# Altium PCB 2020智能车.PcbDoc (part 1 of 2) (continued)
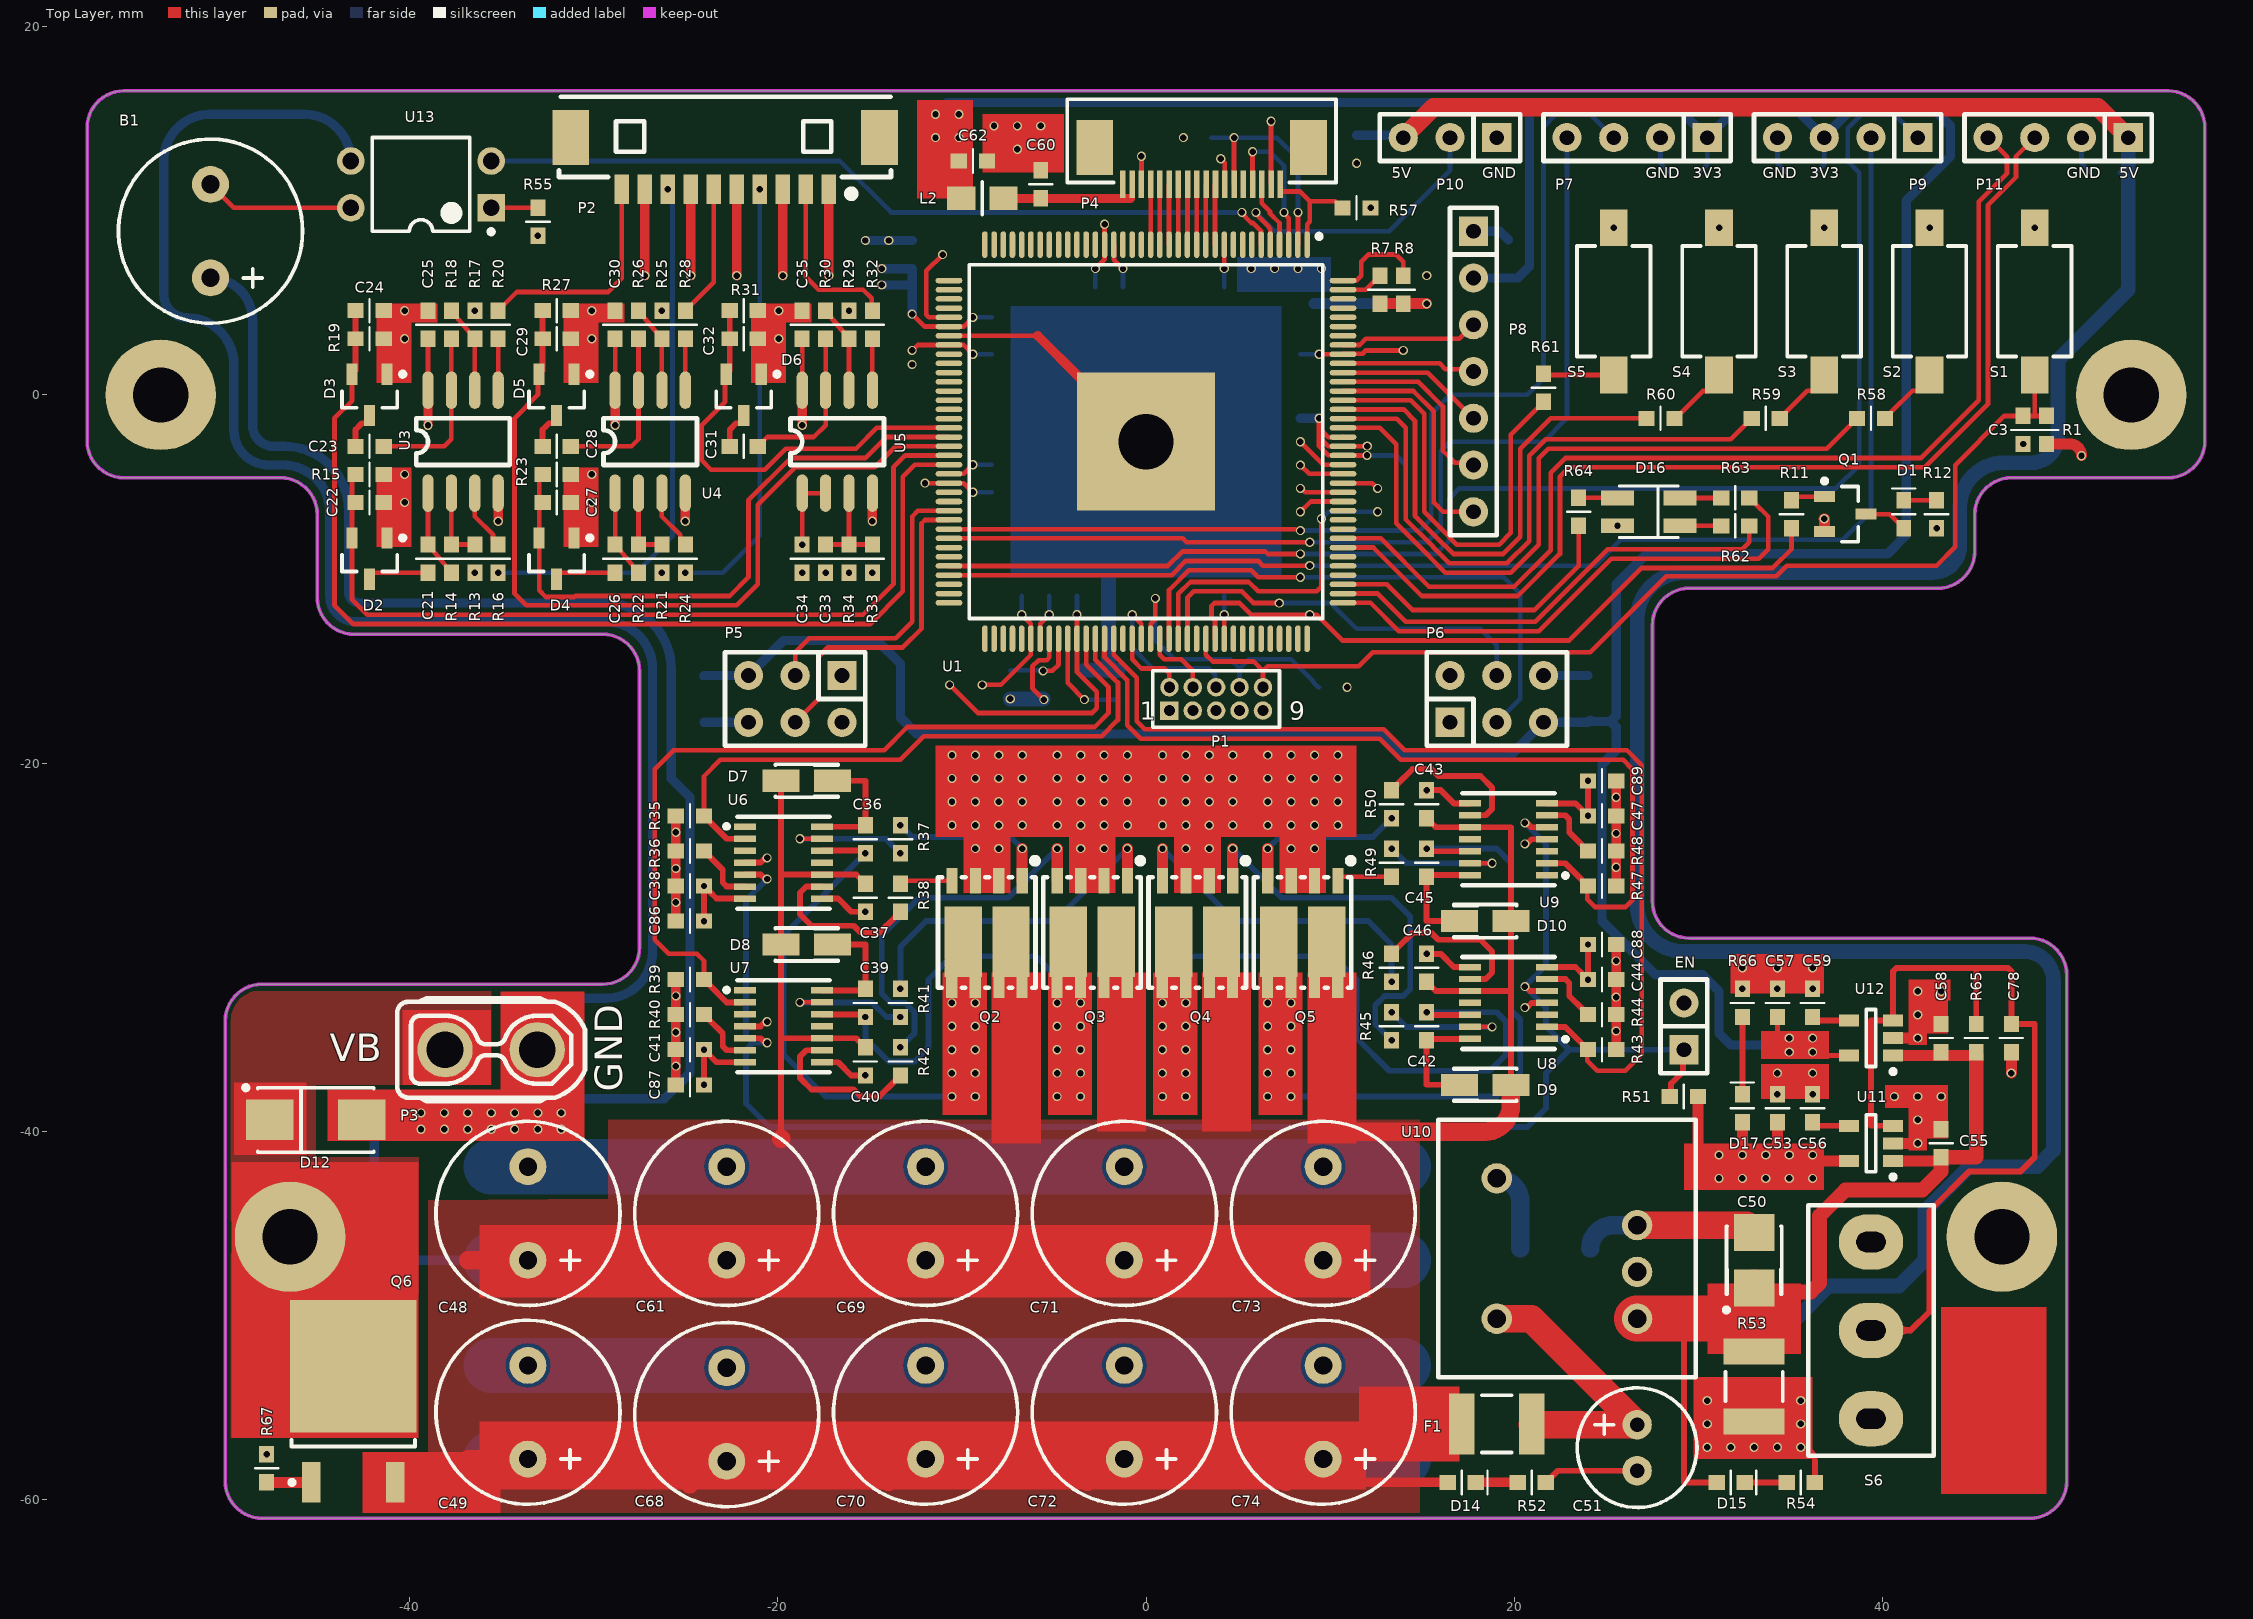
[diagram p0: Top Layer view]
## Components (designator, comment, footprint, x,y, rotation, side; value= is the part's Value field where it differs from the comment)
B1 "BEEP" E10/5 -50.8,8.89 r270 top
C1 "Cap" 0603-1 -7.366,-15.748 r90 bottom value=20pF
C2 "Cap" 0603-1 -1.524,-15.748 r270 bottom value=20pF
C3 "1uF" 0603-1 47.625,-1.905 r90 top
C4 "0.1uF" 0603-1 -12.7,7.62 r90 bottom
C5 "0.1uF" 0603-1 -7.62,-3.79 r0 bottom
C6 "0.1uF" 0603-1 -5.25,-10.16 r90 bottom
C7 "0.1uF" 0603-1 4.25,-10.16 r90 bottom
C8 "0.1uF" 0603-1 4.25,5.08 r270 bottom
C9 "0.1uF" 0603-1 -3.75,-10.16 r90 bottom
C10 "0.1uF" 0603-1 7.62,-1.27 r180 bottom
C11 "0.1uF" 0603-1 -1.25,5.08 r270 bottom
C12 "0.1uF" 0603-1 7.62,2.21 r180 bottom
C13 "0.1uF" 0603-1 -6.75,-10.16 r90 bottom
C14 "0.1uF" 0603-1 -7.62,-5.29 r0 bottom
C15 "0.1uF" 0603-1 -7.62,2.21 r0 bottom
C16 "0.1uF" 0603-1 -2.75,5.08 r270 bottom
C19 "10uF" 0603-1 15.24,5.715 r270 bottom
C21 "1uF" 0603-1 -38.989,-8.89 r90 top
C22 "1uF" 0603-1 -42.164,-5.842 r180 top
C23 "1uF" 0603-1 -42.164,-2.794 r0 top
C24 "1uF" 0603-1 -42.164,4.572 r180 top
C25 "0.1uF" 0603-1 -38.989,3.81 r90 top
C26 "1uF" 0603-1 -28.829,-8.89 r90 top
C27 "1uF" 0603-1 -32.004,-5.842 r180 top
C28 "1uF" 0603-1 -32.004,-2.794 r0 top
C29 "1uF" 0603-1 -32.004,3.048 r180 top
C30 "0.1uF" 0603-1 -28.829,3.81 r90 top
C31 "1uF" 0603-1 -21.844,-2.794 r0 top
C32 "1uF" 0603-1 -21.844,3.048 r180 top
C33 "1uF" 0603-1 -17.399,-8.89 r270 top
C34 "1uF" 0603-1 -18.669,-8.89 r90 top
C35 "0.1uF" 0603-1 -18.669,3.81 r90 top
C36 "1uF/50V" 0603-1 -15.24,-24.13 r270 top
C37 "1uF/50V" 0603-1 -15.24,-27.305 r270 top
C38 "0.1uF" 0603-1 -24.765,-26.67 r0 top
C39 "1uF/50V" 0603-1 -15.24,-33.02 r270 top
C40 "1uF/50V" 0603-1 -15.24,-36.195 r270 top
C41 "0.1uF" 0603-1 -24.765,-35.56 r0 top
C42 "1uF/50V" 0603-1 15.24,-34.29 r90 top
C43 "1uF/50V" 0603-1 15.24,-22.225 r90 top
C44 "0.1uF" 0603-1 24.765,-31.75 r180 top
C45 "1uF/50V" 0603-1 15.24,-25.4 r90 top
C46 "1uF/50V" 0603-1 15.24,-31.115 r90 top
C47 "0.1uF" 0603-1 24.765,-22.86 r180 top
C48 "470u/16" E10/5 -33.56,-44.45 r270 top
C49 "470u/16" E10/5 -33.56,-55.245 r270 top
C50 "100uF/6.3V聚合物/3528封装" 3528-B 33.02,-46.99 r90 top
C51 "330uF/16V" E6.5/2.5 26.67,-58.42 r90 top
C52 "1nF/2000V" 1812 22.225,-46.355 r180 bottom
C53 "1uF" 0603-1 34.29,-38.735 r90 top
C54 "1uF" 0603-1 -7.62,4.21 r0 bottom
C55 "1uF" 0603-1 43.18,-40.64 r90 top
C56 "0.01uF" 0603-1 36.195,-38.735 r270 top value=103
C57 "1uF" 0603-1 34.29,-33.02 r90 top
C58 "1uF" 0603-1 43.18,-34.925 r90 top
C59 "0.01uF" 0603-1 36.195,-33.02 r270 top value=103
C60 "10uF" 0603-1 -5.715,11.43 r90 top
C61 "470u/16" E10/5 -22.765,-44.45 r270 top
C62 "10uF" 0603-1 -9.398,12.7 r0 top
C63 "10uF" 0805-3 -24.13,-16.51 r270 bottom
C64 "10uF" 0805-3 24.13,-16.51 r90 bottom
C65 "10uF" 0603-1 29.21,12.065 r180 bottom
C66 "10uF" 0603-1 19.685,7.62 r90 bottom
C67 "10uF" 0603-1 35.56,12.065 r180 bottom
C68 "470u/16" E10/5 -22.765,-55.372 r270 top
C69 "470u/16" E10/5 -11.97,-44.45 r270 top
C70 "470u/16" E10/5 -11.97,-55.245 r270 top
C71 "470u/16" E10/5 -1.175,-44.45 r270 top
C72 "470u/16" E10/5 -1.175,-55.245 r270 top
C73 "470u/16" E10/5 9.62,-44.45 r270 top
C74 "470u/16" E10/5 9.62,-55.245 r270 top
C75 "10uF" 3528-B -19.765,-44.45 r90 bottom
C76 "10uF" 3528-B -19.765,-55.372 r90 bottom
C77 "10uF" 3528-B -8.97,-44.45 r90 bottom
C78 "104" 0603-1 46.99,-34.925 r270 top value=103
C79 "10uF" 3528-B -30.56,-55.245 r90 bottom
C80 "10uF" 3528-B -30.56,-44.45 r90 bottom
C81 "10uF" 3528-B 12.62,-55.245 r90 bottom
C82 "10uF" 3528-B 12.62,-44.45 r90 bottom
C83 "10uF" 3528-B 1.825,-55.245 r90 bottom
C84 "10uF" 3528-B 1.825,-44.45 r90 bottom
C85 "10uF" 3528-B -8.97,-55.245 r90 bottom
C86 "1uF" 0603-1 -24.765,-28.575 r0 top
C87 "1uF" 0603-1 -24.765,-37.465 r0 top
C88 "1uF" 0603-1 24.765,-29.845 r180 top
C89 "1uF" 0603-1 24.765,-20.955 r180 top
C90 "10uF" 0603-1 11.43,13.335 r270 bottom
C91 "10uF" 0603-1 52.07,12.065 r180 bottom
D1 "LED" 0603-3 41.148,-6.477 r90 top
D2 "BAT54S" SOT-23-3 -42.164,-8.89 r180 top
D3 "BAT54S" SOT-23-3 -42.164,0 r180 top
D4 "BAT54S" SOT-23-3 -32.004,-8.89 r180 top
D5 "BAT54S" SOT-23-3 -32.004,0 r180 top
D6 "BAT54S" SOT-23-3 -21.844,0 r180 top
D7 "1N5819" 3216-A -18.415,-20.955 r180 top
D8 "1N5819" 3216-A -18.415,-29.845 r180 top
D9 "1N5819" 3216-A 18.415,-37.465 r0 top
D10 "1N5819" 3216-A 18.415,-28.575 r0 top
D12 "SMAJ15CA" 6032-C -45.085,-39.37 r0 top
D14 "12V" 0603-3 17.145,-59.055 r0 top
D15 "5V" 0603-3 31.75,-59.055 r0 top
D16 "LED_E" 1210-DLED 27.305,-6.35 r180 top
D17 "3V3" 0603-3 32.385,-38.735 r90 top
EN "Jumper" CON-2S 29.21,-35.56 r90 top (schematic designator JP1)
F1 "0.5A" 1812 19.05,-55.88 r0 top
L1 "磁珠" 0805-3 -12.7,3.175 r90 bottom
L2 "磁珠" 0805-3 -8.89,10.668 r180 top
P1 "IDC-10P" MHDR2X5 1.27,-17.145 r0 top
P2 "Header 10" "MX 1.25-WS-10P" -22.86,13.97 r180 top
P3 "XT30UPB-F" XT30UPB-F -35.56,-35.56 r90 top
P4 "FPC0.5-18P" FPC18-0.5 3.02,11.43 r180 top
P5 "Header 3X2" con-6D -16.51,-15.24 r180 top
P6 "Header 3X2" con-6D 16.51,-17.78 r0 top
P7 "Header 4" con-4s 30.48,13.97 r180 top
P8 "Header 7" con-7s 17.78,8.89 r270 top
P9 "Header 4" con-4S 41.91,13.97 r180 top
P10 "Header 3" CON-3S 19.05,13.97 r180 top
P11 "Header 4" CON-4S 53.34,13.97 r180 top
Q1 "BSS84" SOT-23-3 37.973,-6.477 r270 top
Q2 "SE3082G" DFN-8_L5.5-W5.2-P1.27-LS6.0-BL-EP2 -8.636,-29.21 r180 top
Q3 "SE3082G" DFN-8_L5.5-W5.2-P1.27-LS6.0-BL-EP2 -2.921,-29.21 r180 top
Q4 "SE3082G" DFN-8_L5.5-W5.2-P1.27-LS6.0-BL-EP2 2.794,-29.21 r180 top
Q5 "SE3082G" DFN-8_L5.5-W5.2-P1.27-LS6.0-BL-EP2 8.509,-29.21 r180 top
Q6 "IPD50P04P4L" TO-252 -43.047,-55.905 r270 top
R1 "10K" 0603-1 48.895,-1.905 r90 top
R2 "2.2k" 0603-1 7.62,-2.54 r0 bottom
R3 "2.2k" 0603-1 7.62,-3.81 r0 bottom
R4 "2.2k" 0603-1 7.62,-6.35 r0 bottom
R5 "10K" 0603-1 7.62,-5.08 r0 bottom
R6 "10K" 0603-1 10.16,-15.875 r180 bottom
R7 "10k" 0603-1 12.7,5.715 r90 top
R8 "10k" 0603-1 13.97,5.715 r90 top
R9 "10k" 0603-1 13.335,-5.08 r180 bottom
R10 "10k" 0603-1 13.335,-6.35 r180 bottom
R11 "10K" 0603-1 35.052,-6.477 r270 top
R12 "1k" 0603-1 42.926,-6.477 r90 top
R13 "1K" 0603-1 -36.449,-8.89 r90 top
R14 "1K*" 0603-1 -37.719,-8.89 r270 top
R15 "51K" 0603-1 -42.164,-4.318 r0 top
R16 "1K" 0603-1 -35.179,-8.89 r90 top
R17 "1K" 0603-1 -36.449,3.81 r270 top
R18 "1K*" 0603-1 -37.719,3.81 r270 top
R19 "51K" 0603-1 -42.164,3.048 r0 top
R20 "1K" 0603-1 -35.179,3.81 r270 top
R21 "1K" 0603-1 -26.289,-8.89 r90 top
R22 "1K*" 0603-1 -27.559,-8.89 r270 top
R23 "51K" 0603-1 -32.004,-4.318 r0 top
R24 "1K" 0603-1 -25.019,-8.89 r90 top
R25 "1K" 0603-1 -26.289,3.81 r270 top
R26 "1K*" 0603-1 -27.559,3.81 r270 top
R27 "51K" 0603-1 -32.004,4.572 r0 top
R28 "1K" 0603-1 -25.019,3.81 r270 top
R29 "1K" 0603-1 -16.129,3.81 r270 top
R30 "1K*" 0603-1 -17.399,3.81 r270 top
R31 "51K" 0603-1 -21.844,4.572 r0 top
R32 "1K" 0603-1 -14.859,3.81 r270 top
R33 "10K" 0603-1 -14.859,-8.89 r90 top
R34 "10K" 0603-1 -16.129,-8.89 r270 top
R35 "10K" 0603-1 -24.765,-22.86 r0 top value=10R
R36 "5K" 0603-1 -24.765,-24.765 r0 top value=10R
R37 "10R" 0603-1 -13.335,-24.13 r90 top
R38 "10R" 0603-1 -13.335,-27.305 r90 top
R39 "10K" 0603-1 -24.765,-31.75 r0 top value=10R
R40 "5K" 0603-1 -24.765,-33.655 r0 top value=10R
R41 "10R" 0603-1 -13.335,-33.02 r90 top
R42 "10R" 0603-1 -13.335,-36.195 r90 top
R43 "10K" 0603-1 24.765,-35.56 r180 top value=10R
R44 "5K" 0603-1 24.765,-33.655 r180 top value=10R
R45 "10R" 0603-1 13.335,-34.29 r270 top
R46 "10R" 0603-1 13.335,-31.115 r270 top
R47 "10K" 0603-1 24.765,-26.67 r180 top value=10R
R48 "5K" 0603-1 24.765,-24.765 r180 top value=10R
R49 "10R" 0603-1 13.335,-25.4 r270 top
R50 "10R" 0603-1 13.335,-22.225 r270 top
R51 "10k" 0603-1 29.21,-38.1 r0 top value=10K
R52 "10k" 0603-1 20.955,-59.055 r180 top
R53 "150R/1W" 1812 33.02,-53.848 r90 top
R54 "10k" 0603-1 35.56,-59.055 r180 top
R55 "1k" 0603-1 -33.02,9.398 r90 top
R56 "150R" 0603-1 2.794,13.97 r0 bottom
R57 "150R" 0603-1 11.43,10.16 r180 top
R58 "330R" 0603-1 39.37,-1.27 r180 top
R59 "330R" 0603-1 33.655,-1.27 r180 top
R60 "330R" 0603-1 27.94,-1.27 r180 top
R61 "330R" 0603-1 21.59,0.381 r270 top
R62 "510R" 0603-1 32.004,-7.112 r180 top
R63 "510R" 0603-1 32.004,-5.588 r180 top
R64 "510R" 0603-1 23.495,-6.35 r90 top
R65 "10k" 0603-1 45.085,-34.925 r90 top
R66 "10k" 0603-1 32.385,-33.02 r270 top
R67 "10k" 0603-1 -47.752,-58.293 r90 top
S1 "RESET" TD-3580 48.26,5.08 r270 top
S2 "SW-PB" TD-3580 42.545,5.08 r270 top
S3 "SW-PB" TD-3580 36.83,5.08 r270 top
S4 "SW-PB" TD-3580 31.115,5.08 r270 top
S5 "SW-PB" TD-3580 25.4,5.08 r270 top
S6 "PEN" SSD1210 39.37,-50.8 r270 top
U1 "SAK-TC264D-40F200N BC" QFP50P2200X2200X160-145N-1 0,-2.54 r270 top
U2 "XC6206P132(1.3V)" SOT-23-3 8.001,4.953 r90 bottom
U3 "AD8606" SO-8 -38.989,-5.334 r90 top
U4 "AD8606" SO-8 -28.829,-5.334 r90 top
U5 "AD8606" SO-8 -18.669,-5.334 r90 top
U6 "Si8274AB1-IM1" LGA-14_L5.0-W5.0-P0.65-BL -19.685,-25.4 r270 top
U7 "Si8274AB1-IM1" LGA-14_L5.0-W5.0-P0.65-BL -19.685,-34.29 r270 top
U8 "Si8274AB1-IM1" LGA-14_L5.0-W5.0-P0.65-BL 19.685,-33.02 r90 top
U9 "Si8274AB1-IM1" LGA-14_L5.0-W5.0-P0.65-BL 19.685,-24.13 r90 top
U10 "WRB1205SD-3WR2" WRB_SD-3WR2 22.86,-46.355 r0 top
U11 "TPS73633DBVR" SOT-23-5 39.37,-40.64 r90 top
U12 "TPS73633DBVR" SOT-23-5 39.37,-34.925 r90 top
U13 "PC817" DIP-4 -39.37,11.43 r180 top
Y1 "20MHz" CFPX-5 -4.445,-15.748 r180 bottom value=16M

## Footprints (in the part's own frame and the unit in brackets; to place one, negate y for a bottom-side part, rotate by r counter-clockwise, add the part's x,y. Pads: shape width x height; smd on the part's side, far side on the other; paste and mask are expansions set on the pad)
0603-1 [mil]
  rect 35x32 smd: 1(-30,0) 2(30,0)
  silkscreen extent 0,-25 0,25
0603-3 [mil]
  rect 35x32 smd: 1(-30,0) 2(30,0)
  silkscreen extent 0,-25 55,25
0805-3 [mil]
  rect 60x50 smd: 1(-45,0) 2(45,0)
  silkscreen extent 0,-35 0,35
1210-DLED [mm]
  rect 1.8x0.8 smd: 1(-1.7,0.75) 2(1.7,0.75) 3(-1.7,-0.75) 4(1.7,-0.75)
  silkscreen extent -1.6,-1.4 1.6,1.4
1812 [mm] "Chip Capacitor, Body 4.5x3.2mm, IPC High Density"
  rect 1.4x3.3 smd: 1(-1.9,0) 2(1.9,0)
  silkscreen extent -0.8,-1.55 0.8,1.55, body extent -2.4,-1.7 2.4,1.7, height 1.4
3216-A [mm] "Capacitor, SM Tantalum; Body 3.2 x 1.6 mm (LxW typ)"
  rect 2x1.2 smd: 1(-1.4,0) 2(1.4,0)
  silkscreen extent -1.7,-0.9 1.7,0.9
3528-B [mm] "Capacitor, SM Tantalum; Body 3.5 x 2.8 mm (LxW typ)"
  rect 2x2.2 smd: 1(-1.5,0) 2(1.5,0)
  silkscreen extent -2.82,-1.5 1.85,1.62
6032-C [mm] "Capacitor, SM Tantalum; Body 6.0 x 3.2 mm (LxW typ)"
  rect 2.6x2.2 smd: A(-2.5,0) K(2.5,0)
  silkscreen extent -3.92,-1.75 3.15,1.87
CFPX-5 [mm] "Surface Mount Quartz Crystal; Body 3.4 x 2.7 mm (LxW max)"
  rect 1.4x1.15 smd: 1(-1.1,-0.8) 2(1.1,-0.8) 3(1.1,0.8) 4(-1.1,0.8)
  silkscreen extent -1.27,-2.09 -1.03,-1.84
CON-2S [mm]
  rect 1.585x1.585 hole 0.8: 1(0,0)
  round 1.585 hole 0.8: 2(2.54,0)
  silkscreen extent -1.27,-1.27 3.81,1.27
CON-3S [mm]
  rect 1.585x1.585 hole 0.8: 1(0,0)
  round 1.585 hole 0.8: 2(2.54,0) 3(5.08,0)
  silkscreen extent -1.27,-1.27 6.35,1.27
con-4s [mm]
  rect 1.585x1.585 hole 0.8: 1(0,0)
  round 1.585 hole 0.8: 2(2.54,0) 3(5.08,0) 4(7.62,0)
  silkscreen extent -1.27,-1.27 8.89,1.27
con-4S [mm]
  rect 1.585x1.585 hole 0.8: 1(0,0)
  round 1.585 hole 0.8: 2(2.54,0) 3(5.08,0) 4(7.62,0)
  silkscreen extent -1.27,-1.27 8.89,1.27
CON-4S [mm]
  rect 1.585x1.585 hole 0.8: 1(0,0)
  round 1.585 hole 0.8: 2(2.54,0) 3(5.08,0) 4(7.62,0)
  silkscreen extent -1.27,-1.27 8.89,1.27
con-6D [mm]
  rect 1.585x1.585 hole 0.8: 1(0,0)
  round 1.585 hole 0.8: 2(0,2.54) 3(2.54,0) 4(2.54,2.54) 5(5.08,0) 6(5.08,2.54)
  silkscreen extent -1.27,-1.27 6.35,3.81
con-7s [mm]
  rect 1.585x1.585 hole 0.8: 1(0,0)
  round 1.585 hole 0.8: 2(2.54,0) 3(5.08,0) 4(7.62,0) 5(10.16,0) 6(12.7,0) 7(15.24,0)
  silkscreen extent -1.27,-1.27 16.51,1.27
DFN-8_L5.5-W5.2-P1.27-LS6.0-BL-EP2 [mil]
  rect 24x55 smd: 1(-75.3,-111.42) 2(-25.3,-111.42) 3(24.7,-111.42) 4(74.7,-111.42) 5(24.9,111.42) 5(75.3,111.42) 6(-75.1,111.42) 6(-25.49,111.42)
  rect 79.84x150.98 smd: 5(50.89,19.29) 6(-51.48,19.29)
  silkscreen extent -108,-159 105,118
DIP-4 [mm] "DIP; 4 Leads; Row Spacing 7.62 mm; Pitch 2.54 mm"
  rect 1.5x1.5 hole 0.9: 1(-3.81,1.27)
  round 1.5 hole 0.9: 2(-3.81,-1.27) 3(3.81,-1.27) 4(3.81,1.27)
  silkscreen extent -3.94,-2.55 2.65,2.69, body extent -3.15,-2.5 3.15,2.5, height 5.6
E6.5/2.5 [mm]
  round 1.6 hole 0.8: 1(2.5,0) 2(0,0)
  silkscreen extent -2,-3.25 4.5,3.25
E10/5 [mm]
  round 2 hole 1: 1(2.54,0) 2(-2.54,0)
  silkscreen extent -5,-5 5,5
FPC18-0.5 [mm]
  rect 2x3 smd: 0(-5.799,-2) 0(5.799,-2)
  rect 0.3x1.5 smd: 1(-4.275,0) 2(-3.772,0) 3(-3.269,0) 4(-2.766,0) 5(-2.263,0) 6(-1.76,0) 7(-1.257,0) 8(-0.754,0) 9(-0.251,0) 10(0.251,0) 11(0.754,0) 12(1.257,0) 13(1.76,0) 14(2.263,0) 15(2.766,0) 16(3.269,0) 17(3.772,0) 18(4.275,0)
  silkscreen extent -7.3,-4.62 7.3,-0.1, body extent -7.21,-5.01 7.22,0.1, height 2.01
LGA-14_L5.0-W5.0-P0.65-BL [mm]
  rect 0.35x1.2 smd: 1(-1.95,-2.1) 2(-1.3,-2.1) 3(-0.65,-2.1) 4(0,-2.1) 5(0.65,-2.1) 6(1.3,-2.1) 7(1.95,-2.1) 8(1.95,2.1) 9(1.3,2.1) 10(0.65,2.1) 11(0,2.1) 12(-0.65,2.1) 13(-1.3,2.1) 14(-1.95,2.1)
  silkscreen extent -2.5,-3.2 2.5,2.5
MHDR2X5 [mm] "Connector; Header; 5x2 Position"
  rect 1x1 hole 0.6: 1(0,0)
  round 1 hole 0.6: 2(0,1.27) 3(1.27,0) 4(1.27,1.27) 5(2.54,0) 6(2.54,1.27) 7(3.81,0) 8(3.81,1.27) 9(5.08,0) 10(5.08,1.27)
  silkscreen extent -0.9,-0.9 5.98,2.17
"MX 1.25-WS-10P" [mm] "长：17.65mm，宽：4.2mm，高：3.4mm"
  rect 2x3 smd: 0(-8.382,0) 0(8.382,0)
  rect 0.8x1.6 smd: 1(-5.639,2.811) 2(-4.389,2.811) 3(-3.139,2.811) 4(-1.889,2.811) 5(-0.639,2.811) 6(0.611,2.811) 7(1.861,2.811) 8(3.111,2.811) 9(4.361,2.811) 10(5.611,2.811)
  silkscreen extent -9.02,-2.23 9.02,3.25, body extent -8.82,-2.1 8.82,3.09, height 3.4
QFP50P2200X2200X160-145N-1 [mm] "QFP,0.50mm pitch,square;144 pin,20.00mm L X 20.00mm W X 1.60mm H body (w/thermal tab)"
  oval 1.45x0.3 smd paste+0 mask+0: 1(-10.7,8.75) 2(-10.7,8.25) 3(-10.7,7.75) 4(-10.7,7.25) 5(-10.7,6.75) 6(-10.7,6.25) 7(-10.7,5.75) 8(-10.7,5.25) 9(-10.7,4.75) 10(-10.7,4.25) 11(-10.7,3.75) 12(-10.7,3.25) 13(-10.7,2.75) 14(-10.7,2.25) 15(-10.7,1.75) 16(-10.7,1.25) 17(-10.7,0.75) 18(-10.7,0.25) 19(-10.7,-0.25) 20(-10.7,-0.75) 21(-10.7,-1.25) 22(-10.7,-1.75) 23(-10.7,-2.25) 24(-10.7,-2.75) 25(-10.7,-3.25) 26(-10.7,-3.75) 27(-10.7,-4.25) 28(-10.7,-4.75) 29(-10.7,-5.25) 30(-10.7,-5.75) 31(-10.7,-6.25) 32(-10.7,-6.75) 33(-10.7,-7.25) 34(-10.7,-7.75) 35(-10.7,-8.25) 36(-10.7,-8.75) 73(10.7,-8.75) 74(10.7,-8.25) 75(10.7,-7.75) 76(10.7,-7.25) 77(10.7,-6.75) 78(10.7,-6.25) 79(10.7,-5.75) 80(10.7,-5.25) 81(10.7,-4.75) 82(10.7,-4.25) 83(10.7,-3.75) 84(10.7,-3.25) 85(10.7,-2.75) 86(10.7,-2.25) 87(10.7,-1.75) 88(10.7,-1.25) 89(10.7,-0.75) 90(10.7,-0.25) 91(10.7,0.25) 92(10.7,0.75) 93(10.7,1.25) 94(10.7,1.75) 95(10.7,2.25) 96(10.7,2.75) 97(10.7,3.25) 98(10.7,3.75) 99(10.7,4.25) 100(10.7,4.75) 101(10.7,5.25) 102(10.7,5.75) 103(10.7,6.25) 104(10.7,6.75) 105(10.7,7.25) 106(10.7,7.75) 107(10.7,8.25) 108(10.7,8.75)
  oval 0.3x1.45 smd paste+0 mask+0: 37(-8.75,-10.7) 38(-8.25,-10.7) 39(-7.75,-10.7) 40(-7.25,-10.7) 41(-6.75,-10.7) 42(-6.25,-10.7) 43(-5.75,-10.7) 44(-5.25,-10.7) 45(-4.75,-10.7) 46(-4.25,-10.7) 47(-3.75,-10.7) 48(-3.25,-10.7) 49(-2.75,-10.7) 50(-2.25,-10.7) 51(-1.75,-10.7) 52(-1.25,-10.7) 53(-0.75,-10.7) 54(-0.25,-10.7) 55(0.25,-10.7) 56(0.75,-10.7) 57(1.25,-10.7) 58(1.75,-10.7) 59(2.25,-10.7) 60(2.75,-10.7) 61(3.25,-10.7) 62(3.75,-10.7) 63(4.25,-10.7) 64(4.75,-10.7) 65(5.25,-10.7) 66(5.75,-10.7) 67(6.25,-10.7) 68(6.75,-10.7) 69(7.25,-10.7) 70(7.75,-10.7) 71(8.25,-10.7) 72(8.75,-10.7) 109(8.75,10.7) 110(8.25,10.7) 111(7.75,10.7) 112(7.25,10.7) 113(6.75,10.7) 114(6.25,10.7) 115(5.75,10.7) 116(5.25,10.7) 117(4.75,10.7) 118(4.25,10.7) 119(3.75,10.7) 120(3.25,10.7) 121(2.75,10.7) 122(2.25,10.7) 123(1.75,10.7) 124(1.25,10.7) 125(0.75,10.7) 126(0.25,10.7) 127(-0.25,10.7) 128(-0.75,10.7) 129(-1.25,10.7) 130(-1.75,10.7) 131(-2.25,10.7) 132(-2.75,10.7) 133(-3.25,10.7) 134(-3.75,10.7) 135(-4.25,10.7) 136(-4.75,10.7) 137(-5.25,10.7) 138(-5.75,10.7) 139(-6.25,10.7) 140(-6.75,10.7) 141(-7.25,10.7) 142(-7.75,10.7) 143(-8.25,10.7) 144(-8.75,10.7)
  rect 7.5x7.5 smd paste+0 mask+0: 145(0,0)
  silkscreen extent -11.27,-9.6 9.6,9.6, body extent -11.01,-11.01 11.01,11.01, height 1.75
SO-8 [mil]
  oval 80x24 smd: 1(0,0) 2(0,-50) 3(0,-100) 4(0,-150) 5(220,-150) 6(220,-100) 7(220,-50) 8(220,0)
  silkscreen extent 60,-175 160,25
SOT-23-3 [mm]
  rect 0.6x1.15 smd: 1(-0.95,-1.125) 2(0.95,-1.125) 3(0,1.125)
  silkscreen extent -1.92,-1.25 1.5,0.7, body extent -1.5,-0.7 1.5,0.7, height 1.1
SOT-23-5 [mm]
  rect 0.65x1.1 smd: 1(-0.95,-1.2) 2(0,-1.2) 3(0.95,-1.2) 4(0.95,1.2) 5(-0.95,1.2)
  silkscreen extent -1.95,-1.32 1.55,0.25, body extent -1.55,-0.9 1.55,0.9, height 1.45
SSD1210 [mm]
  oval 3x3.5 hole 1.1 slot 1.6 at 90 deg: 1(0,0) 2(-4.8,0) 3(4.8,0)
  silkscreen extent -6.8,-3.4 6.8,3.4
TD-3580 [mm]
  rect 2x1.5 smd: 1(-4,0) 2(4,0)
  silkscreen extent -3,-2 3,2
TO-252 [mm]
  rect 2.2x1 smd: 1(3.15,-2.28) 3(3.15,2.28)
  rect 7.2x6.85 smd: 2(-3.15,0)
  silkscreen extent 0.85,-3.45 3.27,3.35, body extent -5,-3.35 1.2,3.35, height 2.38
WRB_SD-3WR2 [mm]
  round 1.65 hole 1: 1(-3.81,3.81) 4(-3.81,-3.81) 5(3.81,-3.81) 6(3.81,-1.27) 7(3.81,1.27)
  silkscreen extent -6.98,-6.98 6.98,6.98
XT30UPB-F [mm]
  round 3 / inner round 3 / far side round 4 hole 2: 1(0,2.5) 2(0,-2.5)
  silkscreen extent -2.8,-5.1 2.8,5.1
